# Altium PCB DIOT_Kasli_Adapter.PcbDoc (part 8 of 10)
Units mm, origin at the board's own origin, x right, y up, seen from the top; angles counter-clockwise.
Board outline 220.04 x 100 mm, 12 copper layers (Top Layer, L2GND, L3, L4, L5GND, L6, L7, L8GND, L9, L10, L11GND, Bottom Layer), stack 1.691 mm thick; 201 components, 445 nets, 1582 pads, 691 vias.
Unrouted connection lines stored in the file: 4.
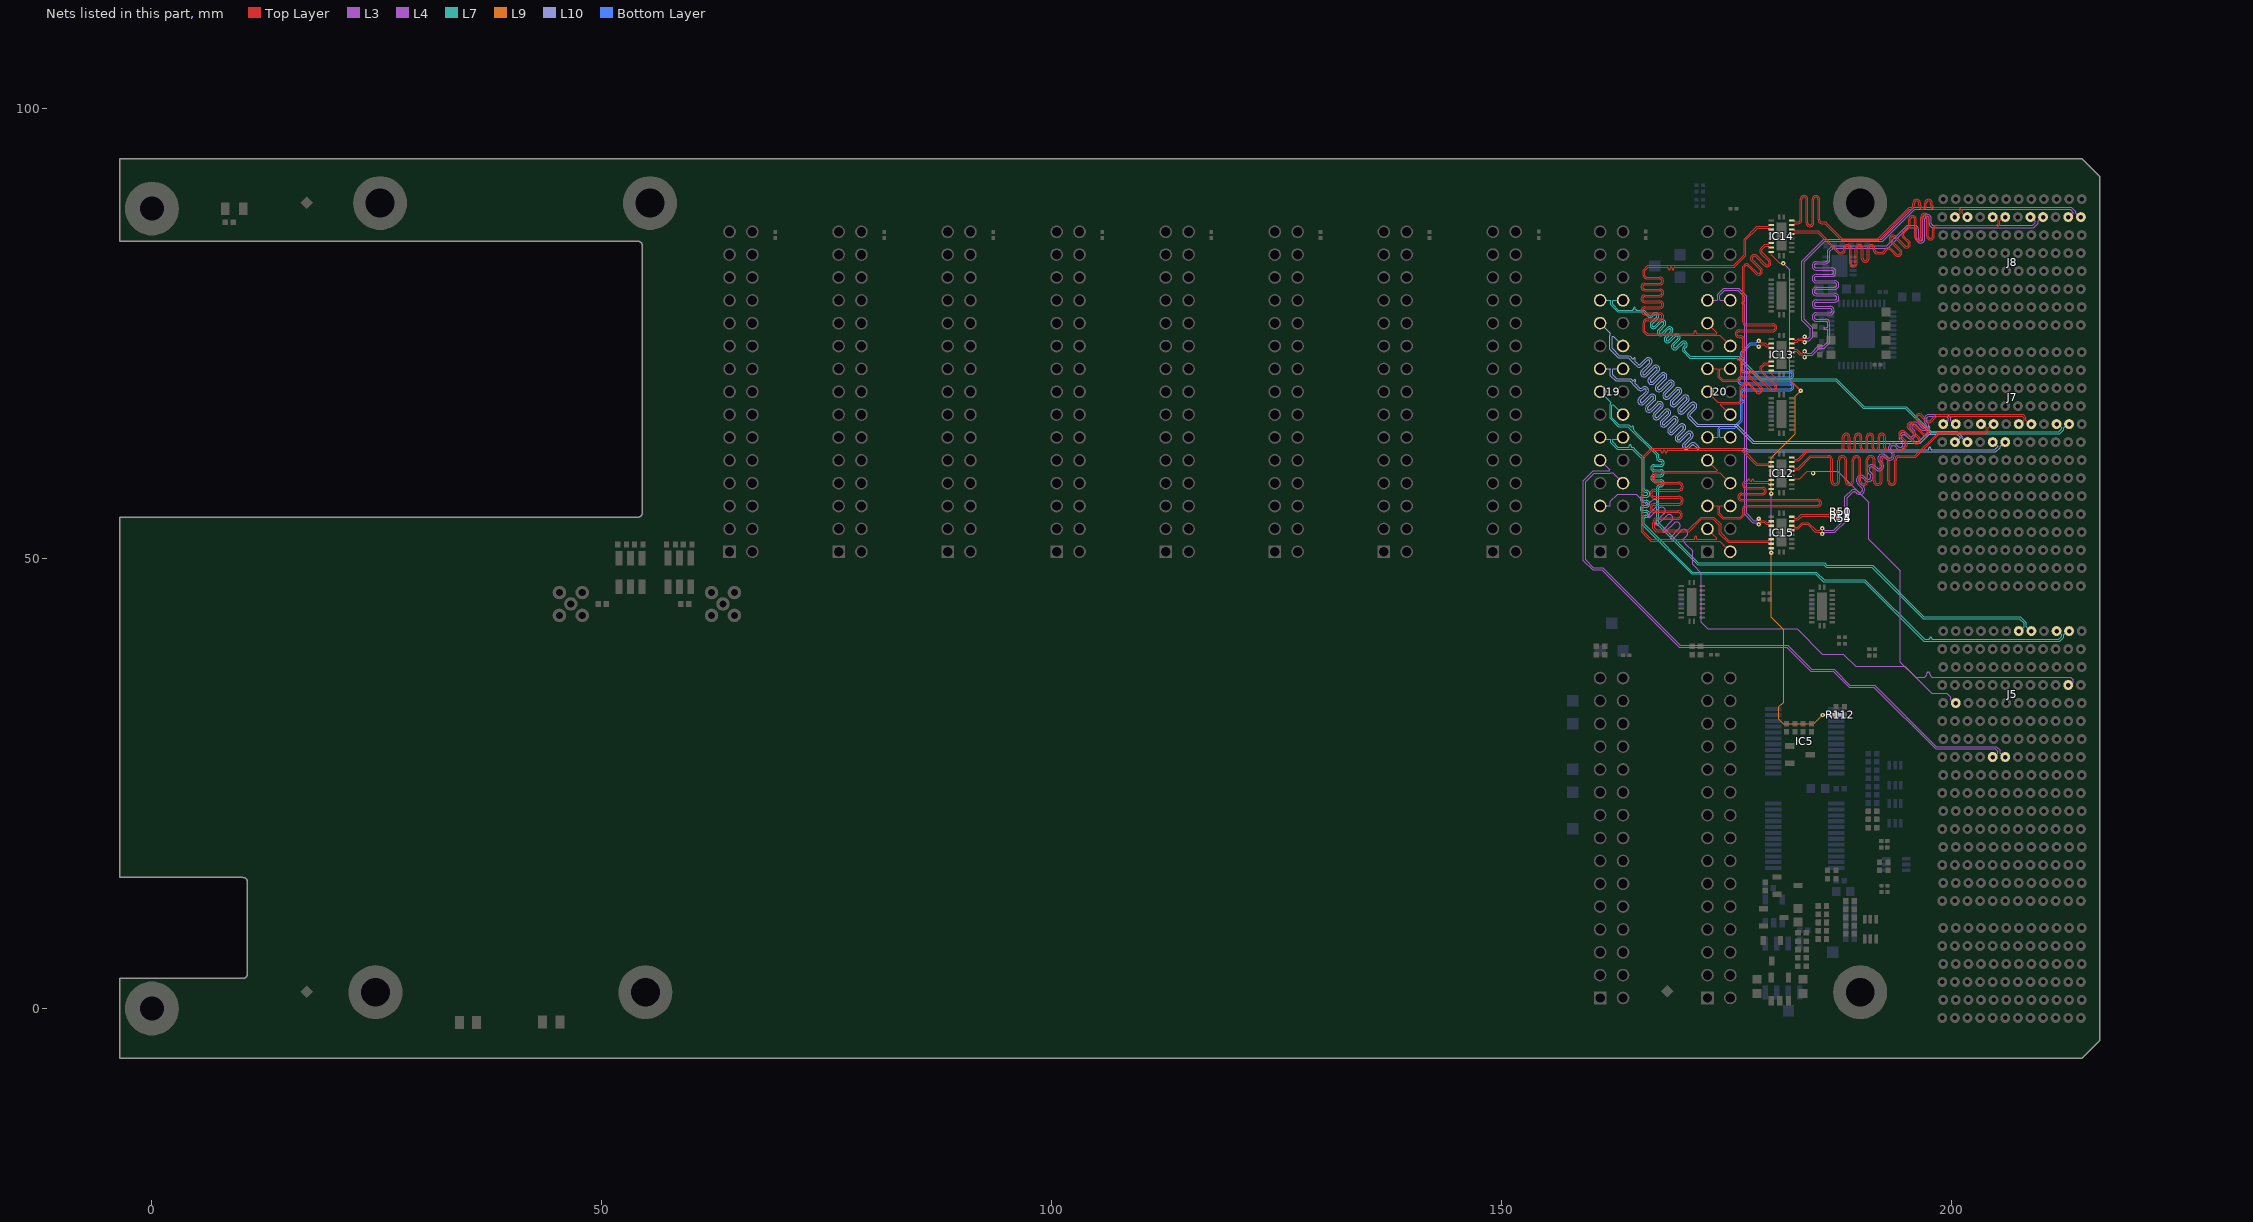
[diagram p18: the nets of this part, all layers, seen from the top]

## Via types
v1: diameter 0.5, hole 0.2, Top Layer to Bottom Layer, tented both sides, 649 vias
v2: diameter 0.5, hole 0.2, Top Layer to Bottom Layer, 32 vias
v3: diameter 0.65, hole 0.3, Top Layer to Bottom Layer, tented both sides, 6 vias
v4: diameter 0.8, hole 0.5, Top Layer to Bottom Layer, tented both sides, 4 vias

## Nets (pads, with @x,y where several pads share a name; then routed paths per layer and width w, separated by ;. In a path a pad name is that pad's centre, name@x,y a point inside that pad or via, vN(x,y) a via of type N, cw(c..) or ccw(c..) an arc to the next point about the centre after c; other vN are vias at no path point) (continued)
EXT10.LVDS_1_P: J5.K4 J19.5 | length 69.6
  L4 w0.089: J19.5@160.947,55.85 162.044,55.85 162.096,55.902 162.096,56.375 162.899,57.178 164.931,57.178 165.944,56.165 166.06,56.048 ccw(c166.182,56.169) 166.303,56.048 166.679,56.424 cw(c166.971,56.133) 167.223,56.46 167.228,56.46 167.298,56.389 167.298,56.384 cw(c166.971,56.133) 167.263,55.841 ; 167.262,55.84 166.295,54.873 ccw(c166.416,54.752) 166.295,54.631 ccw(c166.416,54.752) 166.537,54.63 167.505,55.598 cw(c167.797,55.306) 168.089,55.598 cw(c167.797,55.306) 168.089,55.014 167.121,54.047 ccw(c167.243,53.926) 167.121,53.804 ccw(c167.243,53.926) 167.363,53.804 168.332,54.772 cw(c168.623,54.48) 168.915,54.772 cw(c168.623,54.48) 168.915,54.188 ; 168.915,54.188 167.948,53.221 ccw(c168.069,53.099) 167.948,52.978 ccw(c168.069,53.099) 168.19,52.978 169.158,53.946 cw(c169.45,53.654) 169.741,53.946 cw(c169.45,53.654) 169.741,53.362 ; 169.741,53.362 168.774,52.394 ccw(c168.895,52.273) 169.016,52.151 169.984,53.12 cw(c170.276,52.828) 170.568,53.12 cw(c170.276,52.828) 170.568,52.536 ; 170.567,52.535 170.191,52.16 ccw(c170.313,52.039) 170.191,51.917 170.541,51.568 171.234,50.875 171.234,49.351 172.201,48.383 172.201,42.92 172.911,42.21 182.824,42.21 185.651,39.383 187.973,39.383 189.329,38.026 194.811,38.026 197.795,35.042 199.465,35.042 199.889,34.618 199.889,34.341 200.281,33.95 J5.K4@200.469,33.95
EXT10.LVDS_2_N: J5.H1 J19.9 | length 69.7
  L4 w0.089: J19.9@160.947,60.93 162.012,59.865 162.012,59.792 161.96,59.74 160.177,59.74 159.087,58.649 159.087,49.771 160.099,48.758 161.131,48.758 169.758,40.132 181.702,40.132 184.369,37.465 186.857,37.465 188.609,35.712 191.369,35.712 198.219,28.862 204.879,28.862 205.148,28.593 205.148,28.389 204.709,27.95 J5.H1@204.569,27.95
EXT10.LVDS_2_P: J5.G1 J19.8 | length 69.6
  L4 w0.089: J19.8@163.487,58.39 162.339,59.538 162.099,59.538 162.06,59.498 160.277,59.498 159.328,58.549 159.328,49.871 160.199,49 161.231,49 169.858,40.373 181.802,40.373 184.469,37.706 186.957,37.706 188.709,35.954 191.469,35.954 198.319,29.104 204.979,29.104 205.389,28.693 205.389,28.463 205.389,28.389 205.829,27.95 J5.G1@205.969,27.95
EXT10.LVDS_3_N: J5.C8 J19.12 | length 69.6
  L7 w0.089: J19.12@163.487,63.47 163.302,63.285 162.377,63.285 162.325,63.233 162.325,62.967 162.92,62.371 163.881,62.371 164.071,62.371 ccw(c164.071,62.479) 164.179,62.479 164.179,62.537 cw(c164.287,62.537) 164.395,62.537 164.395,62.479 ccw(c164.503,62.479) 164.503,62.371 164.604,62.371 164.871,62.104 165.844,61.131 165.844,57.918 165.844,57.765 ccw(c166.016,57.765) 166.016,57.594 166.062,57.594 cw(c166.062,57.207) 166.062,56.819 165.796,56.819 ccw(c165.796,56.648) 165.796,56.476 166.062,56.476 cw(c166.062,56.089) 166.062,55.702 165.796,55.702 ccw(c165.796,55.53) 165.796,55.359 166.062,55.359 cw(c166.062,54.971) 166.062,54.584 166.016,54.584 ccw(c166.016,54.413) 165.844,54.413 165.844,53.854 165.89,53.809 171.189,48.509 184.967,48.509 185.826,47.65 190.373,47.65 196.994,41.029 197.282,41.029 197.453,41.029 ccw(c197.453,41.137) 197.561,41.137 197.561,41.165 cw(c197.669,41.165) 197.777,41.165 197.777,41.137 ccw(c197.885,41.137) 197.885,41.029 198.145,41.029 211.925,41.029 212.261,41.365 212.261,41.534 211.845,41.95 J5.C8@211.669,41.95
EXT10.LVDS_3_P: J5.B8 J19.11 | length 69.7
  L7 w0.089: J19.11@160.947,63.47 161.132,63.285 162.057,63.285 162.109,63.233 162.109,62.877 162.831,62.155 164.514,62.155 165.628,61.041 165.628,57.918 165.628,57.765 ccw(c166.016,57.765) 166.016,57.378 166.062,57.378 cw(c166.062,57.207) 166.062,57.035 165.796,57.035 ccw(c165.796,56.648) 165.796,56.261 166.062,56.261 cw(c166.062,56.089) 166.062,55.918 165.796,55.918 ccw(c165.796,55.53) 165.796,55.143 166.062,55.143 cw(c166.062,54.971) 166.062,54.8 166.016,54.8 ccw(c166.016,54.413) 165.628,54.413 165.628,53.809 165.628,53.765 171.1,48.294 184.878,48.294 185.737,47.435 190.284,47.435 196.905,40.813 212.014,40.813 212.477,41.276 212.477,41.561 212.866,41.95 J5.B8@213.069,41.95
EXT10.LVDS_4_N: J5.F8 J19.15 | length 69.5
  L7 w0.089: J19.15@160.947,68.55 162.104,67.393 162.104,67.206 162.045,67.148 162.045,65.577 162.948,64.674 164.011,64.674 167.221,61.465 167.221,61.341 167.221,61.189 ccw(c167.608,61.189) 167.608,60.801 167.684,60.801 cw(c167.684,60.63) 167.684,60.458 166.95,60.458 ccw(c166.95,60.071) 166.95,59.684 167.684,59.684 cw(c167.684,59.512) 167.684,59.341 166.95,59.341 ccw(c166.95,58.953) 166.95,58.566 167.684,58.566 cw(c167.684,58.395) 167.684,58.223 167.608,58.223 ccw(c167.608,57.836) 167.221,57.836 167.221,57.353 167.221,53.876 171.786,49.31 185.792,49.31 186.06,49.042 191.14,49.042 196.839,43.343 207.521,43.343 208.061,42.803 208.061,42.593 208.061,42.43 207.581,41.95 J5.F8@207.469,41.95
EXT10.LVDS_4_P: J5.E8 J19.14 | length 69.5
  L7 w0.089: J19.14@163.487,66.01 162.387,67.11 162.313,67.11 162.261,67.058 162.261,65.667 163.038,64.89 164.101,64.89 164.165,64.826 164.323,64.667 ccw(c164.4,64.744) 164.476,64.667 164.477,64.669 cw(c164.554,64.592) 164.63,64.669 cw(c164.554,64.592) 164.63,64.516 164.629,64.515 ccw(c164.705,64.438) 164.629,64.362 164.813,64.178 167.437,61.554 167.437,61.341 167.437,61.189 ccw(c167.608,61.189) 167.608,61.017 167.684,61.017 cw(c167.684,60.63) 167.684,60.242 166.95,60.242 ccw(c166.95,60.071) 166.95,59.9 167.684,59.9 cw(c167.684,59.512) 167.684,59.125 166.95,59.125 ccw(c166.95,58.953) 166.95,58.782 167.684,58.782 cw(c167.684,58.395) 167.684,58.007 167.608,58.007 ccw(c167.608,57.836) 167.437,57.836 167.437,57.353 167.437,53.965 171.876,49.526 185.882,49.526 186.15,49.258 191.229,49.258 196.928,43.559 207.61,43.559 208.277,42.893 208.277,42.504 208.277,42.43 208.757,41.95 J5.E8@208.869,41.95
EXT10.LVDS_5_N: J7.H1 J19.18 | length 69.6
  L10 w0.089: J19.18@163.487,71.09 162.39,71.09 162.338,71.038 162.338,70.438 162.79,69.986 164.324,69.986 164.348,69.962 164.506,69.803 ccw(c164.583,69.88) 164.659,69.803 164.719,69.864 cw(c164.795,69.787) 164.872,69.864 cw(c164.795,69.787) 164.872,69.711 164.812,69.651 ccw(c164.888,69.574) 164.812,69.498 164.996,69.314 165.021,69.289 165.35,68.96 ccw(c165.471,69.081) 165.593,68.96 165.617,68.984 cw(c165.909,68.692) 166.2,68.984 cw(c165.909,68.692) 166.2,68.4 ; 166.2,68.399 165.427,67.626 ccw(c165.548,67.505) 165.427,67.384 ccw(c165.548,67.505) 165.668,67.383 166.443,68.157 cw(c166.735,67.866) 167.027,68.157 cw(c166.735,67.866) 167.027,67.574 ; 167.026,67.573 166.253,66.8 ccw(c166.374,66.679) 166.253,66.557 ccw(c166.374,66.679) 166.495,66.557 167.269,67.331 cw(c167.561,67.039) 167.853,67.331 cw(c167.561,67.039) 167.853,66.748 ; 167.852,66.747 167.079,65.974 ccw(c167.2,65.852) 167.079,65.731 ccw(c167.2,65.852) 167.321,65.731 168.095,66.505 cw(c168.387,66.213) 168.639,66.54 168.644,66.54 168.714,66.47 168.714,66.465 cw(c168.387,66.213) 168.679,65.921 ; 168.678,65.921 167.905,65.147 ccw(c168.026,65.026) 167.905,64.905 ccw(c168.026,65.026) 168.147,64.904 168.921,65.679 cw(c169.213,65.387) 169.505,65.679 cw(c169.213,65.387) 169.505,65.095 ; 169.505,65.095 168.731,64.321 ccw(c168.852,64.2) 168.731,64.079 ccw(c168.852,64.2) 168.973,64.078 169.748,64.853 cw(c170.039,64.561) 170.331,64.853 cw(c170.039,64.561) 170.331,64.269 ; 170.331,64.269 169.557,63.495 ccw(c169.679,63.374) 169.557,63.253 ccw(c169.679,63.374) 169.799,63.252 170.574,64.027 cw(c170.866,63.735) 171.158,64.027 cw(c170.866,63.735) 171.158,63.443 170.384,62.669 ccw(c170.505,62.548) 170.626,62.426 170.963,62.763 cw(c171.255,62.471) 171.546,62.763 171.663,62.646 172.023,62.286 177.165,62.286 177.361,62.09 197.333,62.09 197.377,62.09 ccw(c197.377,62.198) 197.485,62.198 197.485,62.261 cw(c197.593,62.261) 197.701,62.261 197.701,62.198 ccw(c197.809,62.198) 197.809,62.09 198.018,62.09 204.801,62.09 205.148,62.437 205.148,62.511 204.709,62.95 J7.H1@204.569,62.95
EXT10.LVDS_5_P: J7.G1 J19.17 | length 69.6
  L10 w0.089: J19.17@160.947,71.09 162.044,71.09 162.096,71.038 162.096,70.338 162.69,69.745 164.224,69.745 164.85,69.119 165.179,68.789 ccw(c165.471,69.081) 165.763,68.789 165.787,68.813 cw(c165.909,68.692) 166.03,68.813 cw(c165.909,68.692) 166.03,68.571 165.256,67.797 ccw(c165.548,67.505) 165.256,67.213 ccw(c165.548,67.505) 165.84,67.213 166.614,67.987 cw(c166.735,67.866) 166.856,67.987 cw(c166.735,67.866) 166.857,67.745 166.082,66.97 ccw(c166.374,66.679) 166.082,66.387 ccw(c166.374,66.679) 166.666,66.387 ; 166.666,66.387 167.44,67.161 cw(c167.561,67.039) 167.682,67.161 cw(c167.561,67.039) 167.683,66.919 166.908,66.144 ccw(c167.2,65.852) 166.908,65.561 ccw(c167.2,65.852) 167.492,65.561 168.266,66.334 cw(c168.387,66.213) 168.509,66.093 167.734,65.318 ccw(c168.026,65.026) 167.734,64.734 ccw(c168.026,65.026) 168.318,64.734 ; 168.319,64.735 169.092,65.508 cw(c169.213,65.387) 169.335,65.508 cw(c169.213,65.387) 169.335,65.266 168.561,64.492 ccw(c168.852,64.2) 168.561,63.908 ccw(c168.852,64.2) 169.144,63.908 169.918,64.682 cw(c170.039,64.561) 170.161,64.682 cw(c170.039,64.561) 170.161,64.44 169.387,63.666 ccw(c169.679,63.374) 169.387,63.082 ccw(c169.679,63.374) 169.971,63.082 ; 169.971,63.083 170.744,63.856 cw(c170.866,63.735) 170.987,63.856 cw(c170.866,63.735) 170.987,63.614 170.213,62.84 ccw(c170.505,62.548) 170.212,62.256 ; 170.213,62.255 ccw(c170.505,62.548) 170.797,62.256 171.133,62.593 cw(c171.255,62.471) 171.376,62.593 171.493,62.476 171.923,62.045 177.065,62.045 177.261,61.849 204.901,61.849 205.389,62.337 205.389,62.511 205.829,62.95 J7.G1@205.969,62.95
EXT10.LVDS_6_N: J7.K1 J19.21 | length 69.6
  L10 w0.089: J19.21@160.947,76.17 162.095,75.022 162.095,74.83 162.032,74.766 162.032,73.263 162.976,72.319 164.076,72.319 164.87,71.525 164.987,71.409 ccw(c165.279,71.7) 165.571,71.409 166.188,72.026 cw(c166.309,71.905) 166.431,71.784 165.541,70.894 ccw(c165.833,70.602) 165.541,70.31 ccw(c165.833,70.602) 166.125,70.31 ; 166.125,70.311 167.014,71.2 cw(c167.136,71.078) 167.257,71.2 cw(c167.136,71.078) 167.257,70.958 166.367,70.068 ccw(c166.659,69.776) 166.367,69.484 ccw(c166.659,69.776) 166.951,69.484 ; 166.952,69.485 167.84,70.374 cw(c167.962,70.252) 168.083,70.374 cw(c167.962,70.252) 168.083,70.132 167.194,69.242 ccw(c167.485,68.95) 167.194,68.658 ccw(c167.485,68.95) 167.777,68.658 168.667,69.547 cw(c168.788,69.426) 168.909,69.547 cw(c168.788,69.426) 168.91,69.305 168.02,68.415 ccw(c168.312,68.124) 168.019,67.832 ; 168.02,67.831 ccw(c168.312,68.124) 168.603,67.832 ; 168.604,67.832 169.493,68.721 cw(c169.614,68.6) 169.735,68.721 cw(c169.614,68.6) 169.736,68.479 168.846,67.589 ccw(c169.138,67.297) 168.846,67.006 ccw(c169.138,67.297) 169.43,67.006 170.319,67.895 cw(c170.44,67.774) 170.561,67.895 cw(c170.44,67.774) 170.562,67.653 169.672,66.763 ccw(c169.964,66.471) 169.672,66.179 ccw(c169.964,66.471) 170.256,66.179 ; 170.256,66.18 171.145,67.069 cw(c171.266,66.948) 171.388,67.069 cw(c171.266,66.948) 171.388,66.827 170.77,66.209 ccw(c171.062,65.917) 170.771,65.625 171.233,65.163 171.701,64.694 176.005,64.694 177.891,62.808 196.524,62.808 197.547,63.832 200.579,63.832 200.948,63.463 200.948,63.389 200.509,62.95 J7.K1@200.369,62.95
EXT10.LVDS_6_P: J7.J1 J19.20 | length 69.6
  L10 w0.089: J19.20@163.487,73.63 162.399,74.718 162.325,74.718 162.273,74.666 162.273,73.363 163.075,72.561 164.176,72.561 164.266,72.471 164.501,72.236 ccw(c164.577,72.313) 164.653,72.236 164.681,72.264 cw(c164.757,72.188) 164.834,72.264 cw(c164.757,72.188) 164.834,72.111 164.806,72.084 ccw(c164.882,72.007) 164.806,71.931 164.99,71.747 165.041,71.696 165.158,71.579 ccw(c165.279,71.7) 165.4,71.579 166.017,72.197 cw(c166.309,71.905) 166.561,72.232 166.566,72.232 166.637,72.161 166.637,72.156 cw(c166.309,71.905) 166.601,71.613 ; 166.601,71.612 165.712,70.723 ccw(c165.833,70.602) 165.712,70.481 ccw(c165.833,70.602) 165.954,70.48 166.844,71.37 cw(c167.136,71.078) 167.427,71.37 cw(c167.136,71.078) 167.427,70.787 166.538,69.897 ccw(c166.659,69.776) 166.538,69.655 ccw(c166.659,69.776) 166.78,69.654 167.67,70.544 cw(c167.962,70.252) 168.254,70.544 cw(c167.962,70.252) 168.254,69.96 ; 168.253,69.96 167.364,69.071 ccw(c167.485,68.95) 167.364,68.829 ccw(c167.485,68.95) 167.606,68.828 168.496,69.718 cw(c168.788,69.426) 169.08,69.718 cw(c168.788,69.426) 169.08,69.134 ; 169.079,69.134 168.19,68.245 ccw(c168.312,68.124) 168.432,68.002 169.322,68.892 cw(c169.614,68.6) 169.906,68.892 cw(c169.614,68.6) 169.906,68.308 ; 169.905,68.308 169.017,67.419 ccw(c169.138,67.297) 169.017,67.176 ccw(c169.138,67.297) 169.258,67.176 170.148,68.066 cw(c170.44,67.774) 170.732,68.066 cw(c170.44,67.774) 170.732,67.482 ; 170.732,67.481 169.843,66.592 ccw(c169.964,66.471) 169.843,66.35 ccw(c169.964,66.471) 170.085,66.349 170.975,67.239 cw(c171.266,66.948) 171.558,67.239 cw(c171.266,66.948) 171.558,66.656 ; 171.558,66.655 170.941,66.038 ccw(c171.062,65.917) 170.941,65.796 171.404,65.333 171.801,64.936 176.105,64.936 177.991,63.05 196.424,63.05 197.447,64.073 200.679,64.073 201.189,63.563 201.189,63.389 201.629,62.95 J7.J1@201.769,62.95
EXT10.LVDS_7_N: J7.C2 J19.24 | length 69.5
  L7 w0.089: J19.24@163.487,78.71 162.377,78.71 162.325,78.658 162.325,78.279 162.978,77.626 164.389,77.626 164.549,77.626 ccw(c164.549,77.734) 164.657,77.734 164.657,77.801 cw(c164.765,77.801) 164.873,77.801 164.873,77.734 ccw(c164.981,77.734) 164.981,77.626 165.241,77.626 165.852,77.626 166.303,77.175 166.411,77.067 ccw(c166.532,77.188) 166.654,77.067 166.836,77.25 166.84,77.25 cw(c167.079,76.944) 167.352,77.218 cw(c167.079,76.944) 167.352,76.67 166.753,76.071 ; 166.752,76.07 ccw(c166.874,75.949) 166.752,75.828 ccw(c166.874,75.949) 166.995,75.828 ; 166.995,75.828 167.626,76.459 167.631,76.459 cw(c167.869,76.154) 168.143,76.428 cw(c167.869,76.154) 168.143,75.88 167.543,75.28 ccw(c167.664,75.159) 167.543,75.038 ccw(c167.664,75.159) 167.785,75.037 168.417,75.669 168.421,75.669 cw(c168.659,75.364) 168.933,75.637 cw(c168.659,75.364) 168.933,75.09 168.333,74.49 ccw(c168.454,74.368) 168.333,74.247 ccw(c168.454,74.368) 168.575,74.247 169.207,74.879 169.211,74.879 cw(c169.449,74.573) 169.723,74.847 cw(c169.449,74.573) 169.723,74.299 169.124,73.7 ; 169.123,73.699 ccw(c169.244,73.578) 169.123,73.457 ccw(c169.244,73.578) 169.366,73.457 169.997,74.089 170.001,74.089 cw(c170.24,73.783) 170.513,74.057 cw(c170.24,73.783) 170.513,73.509 170.362,73.358 ccw(c170.484,73.237) 170.362,73.116 170.926,72.552 171.003,72.476 176.322,72.476 178.835,69.963 187.212,69.963 190.275,66.9 194.945,66.9 197.165,64.679 197.197,64.648 ccw(c197.273,64.724) 197.35,64.648 197.382,64.68 cw(c197.459,64.604) 197.535,64.68 cw(c197.459,64.604) 197.535,64.528 197.502,64.495 ccw(c197.579,64.419) 197.502,64.342 197.648,64.196 197.759,64.086 211.934,64.086 212.261,64.413 212.261,64.534 211.845,64.95 J7.C2@211.669,64.95
EXT10.LVDS_7_P: J7.B2 J19.23 | length 69.5
  L7 w0.089: J19.23@160.947,78.71 162.057,78.71 162.109,78.658 162.109,78.19 162.889,77.41 165.763,77.41 166.151,77.022 166.258,76.915 ccw(c166.532,77.188) 166.806,76.914 166.957,77.065 ; 166.957,77.065 cw(c167.079,76.944) 167.2,77.065 cw(c167.079,76.944) 167.2,76.823 166.568,76.191 166.568,76.187 ccw(c166.874,75.949) 167.148,75.675 167.747,76.275 ; 167.748,76.275 cw(c167.869,76.154) 167.99,76.275 cw(c167.869,76.154) 167.99,76.033 167.358,75.401 167.358,75.397 ccw(c167.664,75.159) 167.938,74.885 168.537,75.484 cw(c168.659,75.364) 168.78,75.485 cw(c168.659,75.364) 168.78,75.242 168.149,74.611 168.149,74.607 ccw(c168.454,74.368) 168.728,74.095 169.328,74.694 ; 169.328,74.695 cw(c169.449,74.573) 169.571,74.695 cw(c169.449,74.573) 169.571,74.452 168.939,73.82 168.939,73.816 ccw(c169.244,73.578) 168.971,73.304 ccw(c169.244,73.578) 169.518,73.304 170.118,73.904 ; 170.118,73.904 cw(c170.24,73.783) 170.361,73.904 cw(c170.24,73.783) 170.361,73.662 170.21,73.511 ccw(c170.484,73.237) 170.21,72.963 170.774,72.399 170.913,72.26 176.233,72.26 178.745,69.747 187.123,69.747 190.186,66.684 194.855,66.684 197.67,63.87 212.023,63.87 212.477,64.323 212.477,64.561 212.866,64.95 J7.B2@213.069,64.95
EXT11.LVDS_0_N: IC12.4 J20.3 | length 35
  Top Layer w0.089: J20.3@172.872,53.31 173.93,52.252 173.93,52.178 173.878,52.126 172.048,52.126 171.787,52.126 cw(c171.787,52.234) 171.679,52.234 171.679,52.376 ccw(c171.571,52.376) 171.463,52.376 171.463,52.234 cw(c171.355,52.234) 171.355,52.126 171.094,52.126 166.642,52.126 165.747,53.021 165.747,61.109 166.701,62.063 167.361,62.063 167.621,62.063 cw(c167.621,61.955) 167.729,61.955 167.729,61.867 ccw(c167.837,61.867) 167.945,61.867 167.945,61.955 cw(c168.053,61.955) 168.161,61.955 168.161,61.867 ccw(c168.269,61.867) 168.377,61.867 168.377,61.955 cw(c168.485,61.955) 168.485,62.063 168.656,62.063 176.635,62.063 178.318,60.379 179.644,60.379 179.696,60.327 179.696,60.305 179.776,60.225 IC12.4@179.951,60.225
EXT11.LVDS_0_P: IC12.3 J20.2 | length 34.6
  Top Layer w0.089: J20.2@175.412,50.77 174.246,51.936 166.563,51.936 165.557,52.942 165.557,61.188 166.622,62.253 167.361,62.253 176.714,62.253 178.397,60.57 179.644,60.57 179.696,60.622 179.696,60.644 179.776,60.725 IC12.3@179.951,60.725
EXT11.LVDS_1_N: IC12.7 J20.6 | length 34.3
  Top Layer w0.089: J20.6@175.412,55.85 174.289,55.85 174.237,55.798 174.237,55.018 174.643,54.612 176.504,54.612 176.778,54.886 176.778,54.972 176.778,55.525 cw(c177.204,55.525) 177.204,55.951 185.132,55.951 ccw(c185.132,56.186) 185.367,56.186 ccw(c185.132,56.186) 185.132,56.421 176.664,56.421 cw(c176.664,56.846) 176.239,56.846 cw(c176.664,56.846) 176.664,57.272 178.991,57.272 ccw(c178.991,57.507) 179.226,57.507 ccw(c178.991,57.507) 178.991,57.742 177.204,57.742 cw(c177.204,58.167) 176.778,58.167 176.778,58.307 176.778,58.362 176.986,58.57 177.216,58.57 177.26,58.57 ccw(c177.26,58.678) 177.368,58.678 177.368,58.717 cw(c177.476,58.717) 177.584,58.717 177.584,58.678 ccw(c177.692,58.678) 177.8,58.678 177.8,58.717 cw(c177.908,58.717) 178.016,58.717 178.016,58.678 ccw(c178.124,58.678) 178.124,58.57 178.38,58.57 179.644,58.57 179.696,58.622 179.696,58.644 179.776,58.725 IC12.7@179.951,58.725
EXT11.LVDS_1_P: IC12.8 J20.5 | length 33.9
  Top Layer w0.089: J20.5@172.872,55.85 173.995,55.85 174.047,55.798 174.047,54.939 174.564,54.422 176.583,54.422 176.969,54.807 176.969,54.972 176.969,55.525 cw(c177.204,55.525) 177.204,55.76 185.132,55.76 ccw(c185.132,56.186) 185.558,56.186 ccw(c185.132,56.186) 185.132,56.611 176.664,56.611 cw(c176.664,56.846) 176.429,56.846 cw(c176.664,56.846) 176.664,57.081 178.991,57.081 ccw(c178.991,57.507) 179.417,57.507 ccw(c178.991,57.507) 178.991,57.932 177.204,57.932 cw(c177.204,58.167) 176.969,58.167 176.969,58.283 176.992,58.307 177.065,58.379 179.644,58.379 179.696,58.327 179.696,58.305 179.776,58.225 IC12.8@179.951,58.225
EXT11.LVDS_2_N: IC15.8 J20.9 | length 48.7
  Top Layer w0.089: J20.9@172.872,60.93 173.958,59.844 173.958,59.77 173.906,59.718 167.035,59.718 166.818,59.501 166.818,58.928 166.818,58.788 ccw(c167.307,58.788) 167.307,58.299 169.693,58.299 cw(c169.693,58.001) 169.693,57.702 166.977,57.702 ccw(c166.977,57.213) 166.977,56.724 169.693,56.724 cw(c169.693,56.426) 169.693,56.127 166.977,56.127 ccw(c166.977,55.638) 166.977,55.15 169.59,55.15 cw(c169.59,54.851) 169.59,54.553 167.307,54.553 ccw(c167.307,54.064) 166.818,54.064 166.818,53.486 166.818,53.332 167.148,53.003 170.83,53.003 172.25,54.423 173.483,54.423 174.191,53.715 174.191,52.777 175.175,51.793 179.644,51.793 179.696,51.741 179.696,51.719 179.776,51.639 IC15.8@179.951,51.639
EXT11.LVDS_2_P: IC15.7 J20.8 | length 48.4
  Top Layer w0.089: J20.8@175.412,58.39 174.246,59.556 174.014,59.556 173.985,59.527 167.114,59.527 167.009,59.422 167.009,58.928 167.009,58.788 ccw(c167.307,58.788) 167.307,58.49 169.693,58.49 cw(c169.693,58.001) 169.693,57.512 166.977,57.512 ccw(c166.977,57.213) 166.977,56.915 169.693,56.915 cw(c169.693,56.426) 169.693,55.937 166.977,55.937 ccw(c166.977,55.638) 166.977,55.34 169.59,55.34 cw(c169.59,54.851) 169.59,54.362 167.307,54.362 ccw(c167.307,54.064) 167.009,54.064 167.009,53.486 167.009,53.411 167.227,53.193 170.751,53.193 172.171,54.614 173.562,54.614 174.382,53.793 174.382,52.856 175.254,51.984 179.644,51.984 179.696,52.036 179.696,52.058 179.776,52.139 IC15.7@179.951,52.139
EXT11.LVDS_3_N: IC13.4 J20.12 | length 39.5
  Top Layer w0.089: v1(178.571,73.559) 178.603,73.559 178.821,73.777 179.185,73.777 179.411,73.551 179.644,73.551 179.696,73.499 179.696,73.477 179.776,73.397 IC13.4@179.951,73.397
  Bottom Layer w0.089: J20.12@175.412,63.47 174.289,63.47 174.237,63.522 174.237,64.361 174.38,64.503 175.914,64.503 176.742,65.332 176.742,66.989 176.742,67.25 cw(c176.85,67.25) 176.85,67.358 176.901,67.358 ccw(c176.901,67.465) 176.901,67.573 176.85,67.573 cw(c176.85,67.681) 176.742,67.681 176.742,67.843 176.742,67.872 176.742,68.44 cw(c176.977,68.44) 176.977,68.675 182.052,68.675 ccw(c182.052,69.101) 182.052,69.526 176.662,69.526 cw(c176.662,69.761) 176.662,69.996 182.052,69.996 ccw(c182.052,70.421) 182.052,70.847 176.977,70.847 cw(c176.977,71.082) 176.742,71.082 176.742,71.222 176.742,71.73 176.742,71.99 cw(c176.85,71.99) 176.85,72.098 176.888,72.098 ccw(c176.888,72.206) 176.888,72.314 176.85,72.314 cw(c176.85,72.422) 176.742,72.422 176.742,72.593 176.742,72.835 177.685,73.777 178.321,73.777 178.539,73.559 v1(178.571,73.559)